# KiCad board Weltkatze.kicad_pcb
date: 2026-03-28
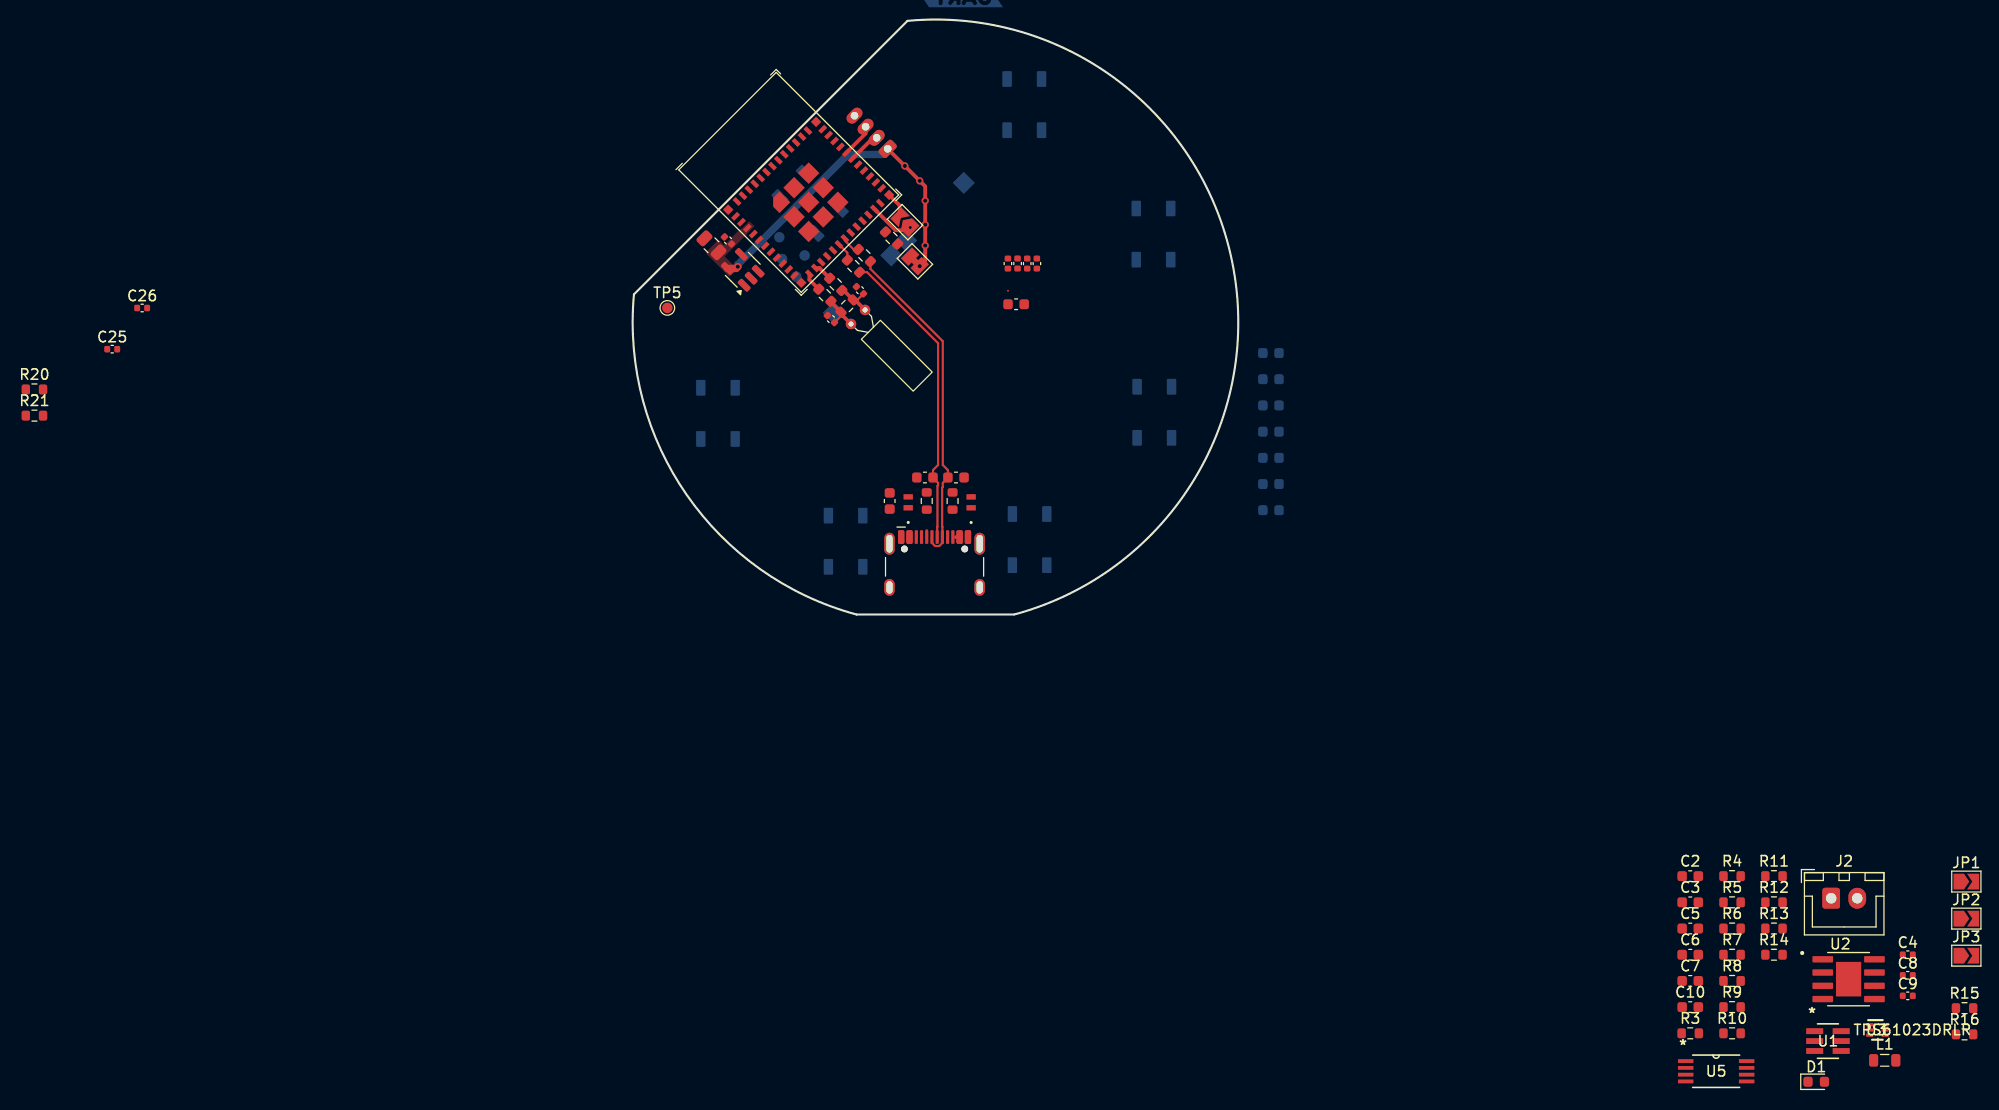
[diagram p0: board, top side]
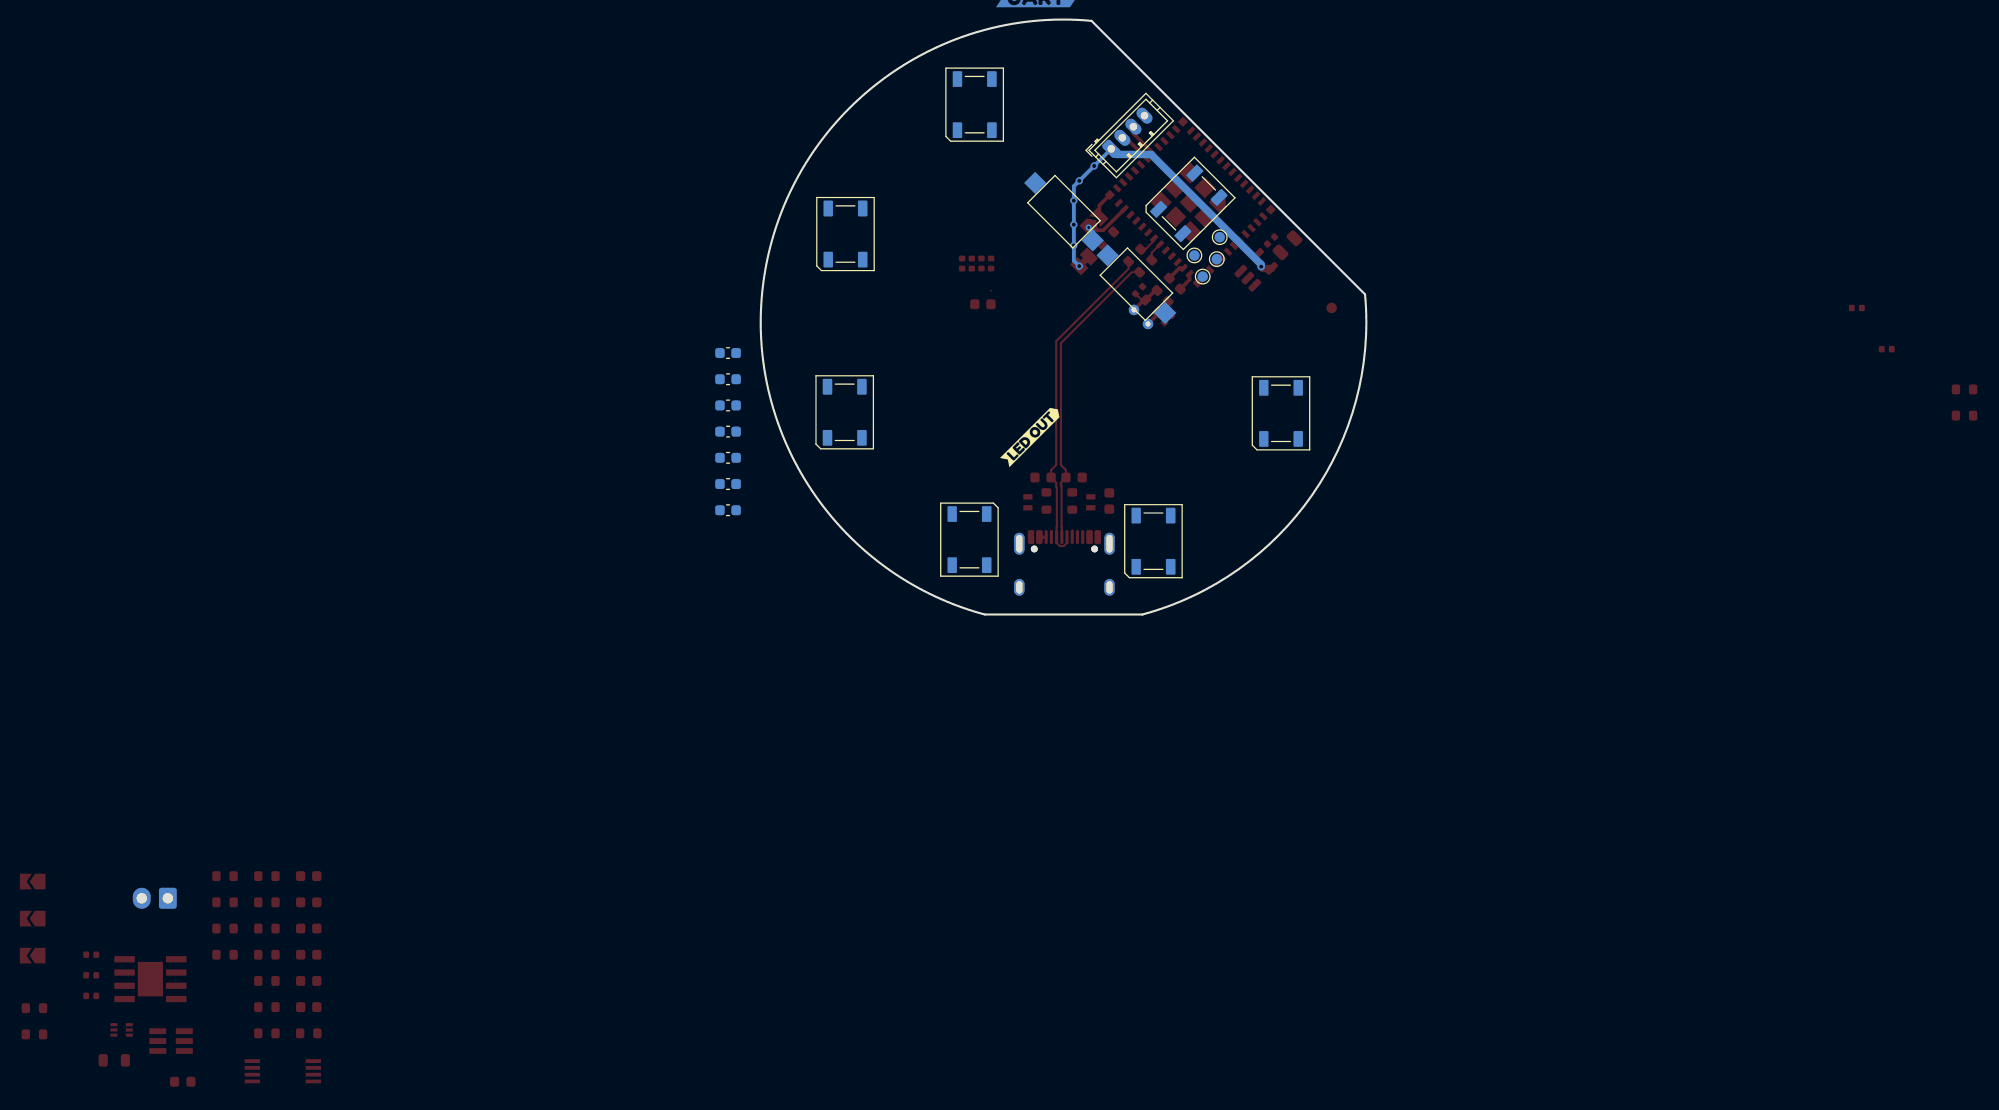
[diagram p1: board, bottom side, seen from below]

Outline 57.44 x 56.88 mm; copper layers: Top, Bottom. Coordinates in mm from the lower left corner of the outline.
Outline path: 21.32,0 arc(5.07,11.45) 0,30.68 26.2,56.88 arc(57.44,33.13) 36.43,0 21.32,0
Stack: Top 0.035mm / dielectric 1.51mm FR4 er 4.5 / Bottom 0.035mm

## Placement (name value [footprint] x y rotation side)
C1  10u  [C_0603_1608Metric]  24.5 10.88 90 top
C2  10u  [C_0603_1608Metric]  101.19 -25.06 0 top
C3  10u  [C_0603_1608Metric]  101.19 -27.57 0 top
C4  0.1u  [C_0402_1005Metric]  122.03 -32.59 0 top
C5  10u  [C_0603_1608Metric]  101.19 -30.08 0 top
C6  10u  [C_0603_1608Metric]  101.19 -32.59 0 top
C7  10u  [C_0603_1608Metric]  101.19 -35.1 0 top
C8  0.1u  [C_0402_1005Metric]  122.03 -34.56 0 top
C9  0.1u  [C_0402_1005Metric]  122.03 -36.53 0 top
C10  10u  [C_0603_1608Metric]  101.19 -37.61 0 top
C11  10u  [C_0603_1608Metric]  61.03 9.99 0 bottom
C12  10u  [C_0603_1608Metric]  61.03 12.5 0 bottom
C13  10u  [C_0603_1608Metric]  61.03 15.01 0 bottom
C14  10u  [C_0603_1608Metric]  61.03 17.52 0 bottom
C15  10u  [C_0603_1608Metric]  61.03 20.03 0 bottom
C16  10u  [C_0603_1608Metric]  61.03 22.54 0 bottom
C17  10u  [C_0603_1608Metric]  61.03 25.05 0 bottom
C23  12p  [C_0402_1005Metric]  21.65 31.07 315 top
C24  12p  [C_0402_1005Metric]  18.87 28.31 315 top
C25  0.1u  [C_0402_1005Metric]  -49.98 25.43 0 top
C26  0.1u  [C_0402_1005Metric]  -47.11 29.37 0 top
C27  22u  [C_0805_2012Metric]  7.43 35.37 315 top
C28  0.1u  [C_0402_1005Metric]  9.01 35.84 315 top
C29  0.1u  [C_0603_1608Metric]  30.85 13.13 180 top  (not fitted)
C30  0.1u  [C_0603_1608Metric]  27.88 13.13 0 top  (not fitted)
C31  100n  [C_0402_1005Metric]  35.82 33.63 90 top
C32  10u  [C_0603_1608Metric]  36.61 29.73 0 top
C33  100n  [C_0402_1005Metric]  38.6 33.63 90 top
C34  100n  [C_0402_1005Metric]  36.75 33.63 90 top
C35  100n  [C_0402_1005Metric]  37.68 33.63 90 top
CR1  ESDA25P35-1U1M  [QFN1610_STM-M]  32.3 10.75 90 top
CR2  ESDA25P35-1U1M  [QFN1610_STM-M]  26.28 10.75 90 top
D1  R  [LED_0603_1608Metric]  113.26 -44.76 0 top
D2  WS2812B  [LED_WS2812B_PLCC4_5.0x5.0mm_P3.2mm]  37.4 48.85 270 bottom
D3  WS2812B  [LED_WS2812B_PLCC4_5.0x5.0mm_P3.2mm]  49.78 36.45 270 bottom
D4  WS2812B  [LED_WS2812B_PLCC4_5.0x5.0mm_P3.2mm]  49.85 19.38 270 bottom
D5  WS2812B  [LED_WS2812B_PLCC4_5.0x5.0mm_P3.2mm]  37.9 7.18 90 bottom
D6  WS2812B  [LED_WS2812B_PLCC4_5.0x5.0mm_P3.2mm]  20.28 7.03 270 bottom
D7  WS2812B  [LED_WS2812B_PLCC4_5.0x5.0mm_P3.2mm]  8.05 19.28 270 bottom
D8  WS2812B  [LED_WS2812B_PLCC4_5.0x5.0mm_P3.2mm]  16.88 39.39 315 bottom
G***  -  [LOGO]  27.07 26.01 45 top
J1  USB_C_Receptacle_USB2.0_14P  [USB_C_Receptacle_HCTL_HC-TYPE-C-16P-01A]  28.8 3.68 0 top
J2  CONN_BAT  [JST_XH_B2B-XH-A_1x02_P2.50mm_Vertical]  114.69 -27.18 0 top
J6  UART  [JST_ZH_B4B-ZR_1x04_P1.50mm_Vertical]  24.31 44.62 135 bottom
JP1  SolderJumper_2_Open  [SolderJumper-2_P1.3mm_Open_TrianglePad1.0x1.5mm]  127.65 -25.58 0 top
JP2  SolderJumper_2_Open  [SolderJumper-2_P1.3mm_Open_TrianglePad1.0x1.5mm]  127.65 -29.13 0 top
JP3  SolderJumper_2_Open  [SolderJumper-2_P1.3mm_Open_TrianglePad1.0x1.5mm]  127.65 -32.68 0 top
JP6  DBG_UART  [SolderJumper-2_P1.3mm_Bridged_Pad1.0x1.5mm]  26.92 33.84 315 top
JP7  SolderJumper_2_Open  [SolderJumper-2_P1.3mm_Open_TrianglePad1.0x1.5mm]  25.96 37.59 135 top
kibuzzard-67CB17AB  G***  [kibuzzard-67CB17AB]  31.98 17.1 135 bottom
kibuzzard-698E3F4A  G***  [kibuzzard-698E3F4A]  31.5 59.13 180 bottom
L1  470n  [L_0805_2012Metric]  119.82 -42.71 0 top
R1  5.1k  [R_0603_1608Metric]  28.05 10.88 90 top
R2  5.1k  [R_0603_1608Metric]  30.53 10.88 90 top
R3  597k  [R_0603_1608Metric]  101.19 -40.12 0 top
R4  49.9k  [R_0603_1608Metric]  105.21 -25.06 0 top
R5  49.9k  [R_0603_1608Metric]  105.21 -27.57 0 top
R6  49.9k  [R_0603_1608Metric]  105.21 -30.08 0 top
R7  66.5k  [R_0603_1608Metric]  105.21 -32.59 0 top
R8  1k  [R_0603_1608Metric]  105.21 -35.1 0 top
R9  1.5k  [R_0603_1608Metric]  105.21 -37.61 0 top
R10  100k  [R_0603_1608Metric]  105.21 -40.12 0 top
R11  732k  [R_0603_1608Metric]  109.22 -25.06 0 top
R12  1k  [R_0603_1608Metric]  109.22 -27.57 0 top
R13  470  [R_0603_1608Metric]  109.22 -30.08 0 top
R14  191  [R_0603_1608Metric]  109.22 -32.59 0 top
R15  200k  [R_0603_1608Metric]  127.47 -37.71 0 top
R16  200k  [R_0603_1608Metric]  127.47 -40.22 0 top
R17  0  [R_0603_1608Metric]  20.42 29.55 45 top
R18  0  [R_0603_1608Metric]  19.33 31.64 135 top
R19  0  [R_0603_1608Metric]  18.29 30.59 135 top
R20  0  [R_0603_1608Metric]  -57.44 21.57 0 top
R21  10k  [R_0603_1608Metric]  -57.44 19.06 0 top
R22  10k  [R_0603_1608Metric]  24.68 36.08 315 top
R23  0  [R_0603_1608Metric]  22.07 34.4 315 top
R24  0  [R_0603_1608Metric]  21.03 33.38 315 top
SW2  SW_Push  [SW_SPST_CK_RS282G05A3]  21.9 31.65 45 bottom
SW3  SW_Push  [SW_SPST_CK_RS282G05A3]  28.84 38.59 225 bottom
TP1  MTMS  [TestPoint_Pad_D1.0mm]  13.93 36.15 180 bottom
TP2  MTDI  [TestPoint_Pad_D1.0mm]  14.2 34.05 180 bottom
TP3  MTCK  [TestPoint_Pad_D1.0mm]  15.55 32.38 0 bottom
TP4  MTDO  [TestPoint_Pad_D1.0mm]  16.35 34.4 0 bottom
TP5  3V3  [TestPoint_Pad_D1.0mm]  3.2 29.38 0 top
U1  TPS3700DDCR  [DDC6_TEX-M]  114.39 -40.87 0 top
U2  TP4056  [SOP127P600X175-9N]  116.37 -34.93 0 top
U3  TPS61023DRLR  [DRL0006A]  119.12 -39.8 0 top
U5  TPS2111APW  [PW8]  103.68 -43.76 0 top
U6  SPX3819M5-L-3-3  [SOT-23-5]  10.42 33.03 135 top
U9  ESP32-C6-MINI-1/U  [ESP32-C6-MINI-1]  14.83 41.4 45 top
Y1  32.768k  [Crystal_C26-LF_D2.1mm_L6.5mm_Horizontal]  20.79 27.84 45 top

## Library data of the parts
C1-C10 C23-C35 = -: Description: Unpolarized capacitor; ki_fp_filters: C_*
C11-C17 = -: Description: Unpolarized capacitor, small symbol; ki_fp_filters: C_*
CR1 CR2 = -: ki_fp_filters: QFN1610_STM QFN1610_STM-M QFN1610_STM-L
D1 = -: Description: Light emitting diode; ki_fp_filters: LED* LED_SMD:* LED_THT:*
D2-D8 = -: Datasheet: https://cdn-shop.adafruit.com/datasheets/WS2812B.pdf; Description: RGB LED with integrated controller; ki_fp_filters: LED*WS2812*PLCC*5.0x5.0mm*P3.2mm*
J1 = -: Datasheet: https://www.usb.org/sites/default/files/documents/usb_type-c.zip; Description: USB 2.0-only 16P Type-C Receptacle connector; ki_fp_filters: USB*C*Receptacle*
J2 = -: Description: Generic connector, single row, 01x02, script generated; ki_fp_filters: Connector*:*_1x??_*
J6 = -: Description: Generic connector, single row, 01x04, script generated; ki_fp_filters: Connector*:*_1x??_*
JP1-JP3 JP7 = -: Description: Solder Jumper, 2-pole, open; ki_fp_filters: SolderJumper*Open*
JP6 = -: Description: Solder Jumper, 2-pole, closed/bridged; ki_fp_filters: SolderJumper*Bridged*
L1 = -: Description: Inductor; ki_fp_filters: Choke_* *Coil* Inductor_* L_*
R1-R24 = -: Description: Resistor; ki_fp_filters: R_*
SW2 SW3 = -: Description: Push button switch, generic, two pins
TP1-TP5 = -: Description: test point; ki_fp_filters: Pin* Test*
U1 = -: ki_fp_filters: DDC6_TEX DDC6_TEX-M DDC6_TEX-L
U2 = -: MF: NanJing Top Power ASIC Corp.; MAXIMUM_PACKAGE_HEIGHT: 1.75mm; Package: Package; Price: None; Check_prices: https://www.snapeda.com/parts/TP4056/NanJing+Top+Power+ASIC+Corp./view-part/?ref=eda; STANDARD: IPC 7351B; SnapEDA_Link: https://www.snapeda.com/parts/TP4056/NanJing+Top+Power+ASIC+Corp./view-part/?ref=snap; Description_1: Complete single cell Li-Ion battery with a constant current / constant voltage linear charger; Availability: Not in stock; MANUFACTURER: NanJing Top Power ASIC Corp.
U3 = -: MF: Texas Instruments; Description_1: 3.7-A boost converter with 0.5-V ultra-low input voltage; COPYRIGHT: Copyright (C) 2022 Ultra Librarian. All rights reserved.; Package: SOT-5X3-6 Texas Instruments; Price: None; Check_prices: https://www.snapeda.com/parts/TPS61023DRLR/Texas+Instruments/view-part/?ref=eda; Availability: In Stock; SnapEDA_Link: https://www.snapeda.com/parts/TPS61023DRLR/Texas+Instruments/view-part/?ref=snap; TYPE: TYPE; MFR_NAME: Texas Instruments; REFDES: RefDes
U5 = -: ki_fp_filters: PW8 PW8-M PW8-L
U6 = -: Datasheet: https://www.exar.com/content/document.ashx?id=22106&languageid=1033&type=Datasheet&partnumber=SPX3819&filename=SPX3819.pdf&part=SPX3819; Description: 500mA Low drop-out regulator, Fixed Output 3.3V, SOT-23-5; ki_fp_filters: SOT?23*
U9 = -: Datasheet: https://www.espressif.com/sites/default/files/documentation/esp32-c6-mini-1_datasheet_en.pdf; Description: ESP32-C6-MINI-1 is a module that supports 2.4 GHz Wi-Fi 6 (802.11 ax), Bluetooth® 5 (LE), Zigbee and Thread (802.15.4)
Y1 = -: Description: Two pin crystal; ki_fp_filters: Crystal*

## Footprints (pads in the part's own frame, mm; a bottom-side part is the same pattern mirrored in y, then rotated)
C_0402_1005Metric
  rrect 0.56x0.62 smd: 1(-0.48,0) 2(0.48,0)
C_0603_1608Metric
  rrect 0.9x0.95 smd: 1(-0.775,0) 2(0.775,0)
C_0805_2012Metric
  rrect 1x1.45 smd: 1(-0.95,0) 2(0.95,0)
Crystal_C26-LF_D2.1mm_L6.5mm_Horizontal
  round 1 hole 0.5: 1(0,0) 2(1.9,0)
DDC6_TEX-M
  rect 1.626x0.559 smd: 1(-1.27,0.95) 2(-1.27,0) 3(-1.27,-0.95) 4(1.27,-0.95) 5(1.27,0) 6(1.27,0.95)
DRL0006A
  rect 0.67x0.3 smd: 1(-0.74,0.5) 2(-0.74,0) 3(-0.74,-0.5) 4(0.74,-0.5) 5(0.74,0) 6(0.74,0.5)
ESP32-C6-MINI-1
  rect 0.8x0.4 smd: 1(-5.9,1.3) 2(-5.9,0.5) 3(-5.9,-0.3) 4(-5.9,-1.1) 5(-5.9,-1.9) 6(-5.9,-2.7) 7(-5.9,-3.5) 8(-5.9,-4.3) 9(-5.9,-5.1) 10(-5.9,-5.9) 11(-5.9,-6.7) 25(5.9,-6.7) 26(5.9,-5.9) 27(5.9,-5.1) 28(5.9,-4.3) 29(5.9,-3.5) 30(5.9,-2.7) 31(5.9,-1.9) 32(5.9,-1.1) 33(5.9,-0.3) 34(5.9,0.5) 35(5.9,1.3)
  rect 0.4x0.8 smd: 12(-4.8,-7.6) 13(-4,-7.6) 14(-3.2,-7.6) 15(-2.4,-7.6) 16(-1.6,-7.6) 17(-0.8,-7.6) 18(0,-7.6) 19(0.8,-7.6) 20(1.6,-7.6) 21(2.4,-7.6) 22(3.2,-7.6) 23(4,-7.6) 24(4.8,-7.6) 36(4.8,2.2) 37(4,2.2) 38(3.2,2.2) 39(2.4,2.2) 40(1.6,2.2) 41(0.8,2.2) 42(0,2.2) 43(-0.8,2.2) 44(-1.6,2.2) 45(-2.4,2.2) 46(-3.2,2.2) 47(-4,2.2) 48(-4.8,2.2)
  rect 1.45x1.45 smd: 49(-1.975,-2.7) 49(-1.975,-4.675) 49(0,-0.725) 49(0,-2.7) 49(0,-4.675) 49(1.975,-0.725) 49(1.975,-2.7) 49(1.975,-4.675)
  custom 1.45x1.45 smd: 49(-1.975,-0.725)
  rect 0.7x0.7 smd: 50(5.95,2.25) 51(5.95,-7.65) 52(-5.95,-7.65) 53(-5.95,2.25)
JST_XH_B2B-XH-A_1x02_P2.50mm_Vertical
  rrect 1.7x2 hole 1: 1(0,0)
  oval 1.7x2 hole 1: 2(2.5,0)
JST_ZH_B4B-ZR_1x04_P1.50mm_Vertical
  rrect 1.03x1.73 hole 0.73: 1(0,0)
  oval 1.03x1.73 hole 0.73: 2(1.5,0) 3(3,0) 4(4.5,0)
L_0805_2012Metric
  rrect 0.875x1.2 smd: 1(-1.062,0) 2(1.062,0)
LED_0603_1608Metric
  rrect 0.875x0.95 smd: 1(-0.787,0) 2(0.787,0)
LED_WS2812B_PLCC4_5.0x5.0mm_P3.2mm
  rrect 1.5x0.9 smd: 1(-2.45,1.65) 2(-2.45,-1.65) 3(2.45,-1.65) 4(2.45,1.65)
PW8
  rect 1.473x0.356 smd: 1(-2.921,0.975) 2(-2.921,0.325) 3(-2.921,-0.325) 4(-2.921,-0.975) 5(2.921,-0.975) 6(2.921,-0.325) 7(2.921,0.325) 8(2.921,0.975)
QFN1610_STM-M
  rect 0.508x0.889 smd: 1(-0.521,0) 2(0.521,0)
R_0603_1608Metric
  rrect 0.8x0.95 smd: 1(-0.825,0) 2(0.825,0)
SolderJumper-2_P1.3mm_Bridged_Pad1.0x1.5mm
  rect 1x1.5 smd: 1(-0.65,0) 2(0.65,0)
SolderJumper-2_P1.3mm_Open_TrianglePad1.0x1.5mm
  custom 1.5x1.5 smd: 1(-0.725,0)
  custom 1.15x1.5 smd: 2(0.725,0)
SOP127P600X175-9N
  rrect 1.97x0.6 smd: 1(-2.475,1.905) 2(-2.475,0.635) 3(-2.475,-0.635) 4(-2.475,-1.905) 5(2.475,-1.905) 6(2.475,-0.635) 7(2.475,0.635) 8(2.475,1.905)
  rect 2.413x3.302 smd: 9(0,0)
SOT-23-5
  rrect 1.325x0.6 smd: 1(-1.137,0.95) 2(-1.137,0) 3(-1.137,-0.95) 4(1.137,-0.95) 5(1.137,0.95)
SW_SPST_CK_RS282G05A3
  rect 1.5x1.5 smd: 1(-3.9,0) 2(3.9,0)
TestPoint_Pad_D1.0mm
  round 1 smd: 1(0,0)
USB_C_Receptacle_HCTL_HC-TYPE-C-16P-01A
  round 0.65 hole 0.65 unplated: (-2.89,2.605) (2.89,2.605)
  rrect 0.6x1.3 smd: A1(-3.2,3.745) A4(-2.4,3.745) A9(2.4,3.745) A12(3.2,3.745) B1(3.2,3.745) B4(2.4,3.745) B9(-2.4,3.745) B12(-3.2,3.745)
  rrect 0.3x1.3 smd: A5(-1.25,3.745) A6(-0.25,3.745) A7(0.25,3.745) A8(1.25,3.745) B5(1.75,3.745) B6(0.75,3.745) B7(-0.75,3.745) B8(-1.75,3.745)
  oval 1x2.1 hole 0.6x1.7: S1(-4.32,3.105) S1(4.32,3.105)
  oval 1x1.6 hole 0.6x1.2: S1(-4.32,-1.075) S1(4.32,-1.075)

## Nets
+3V3: C27.2 C28.2 C31.1 C32.1 C33.1 C34.1 C35.1 J6.1 JP6.2 R21.2 TP5.1 U6.5 U9.3
+5V: C1.1 C10.1 C11.2 C12.2 C13.2 C14.2 C15.2 C16.2 C17.2 CR1.1 CR2.1 D2.1 D3.1 D4.1 D5.1 D6.1 D7.1 D8.1 J1.A4 J1.A9 J1.B4 J1.B9 U5.7 U6.1 U6.3
/Logic/VBAT_MON: R15.1 R16.2 U9.6
/Power/VBAT_EN: R4.2 R5.2 U1.1 U1.6 U3.2
/Power/VBUS: C6.1 C7.1 C9.2 R11.2 U3.6 U5.6
GND: C1.2 C2.2 C3.2 C4.2 C5.2 C6.2 C7.2 C8.2 C9.1 C10.2 C11.1 C12.1 C13.1 C14.1 C15.1 C16.1 C17.1 C23.1 C24.1 C25.1 C26.2 C27.1 C28.1 C29.1 C30.1 C31.2 C32.2 C33.2 C34.2 C35.2 CR1.2 CR2.2 D2.3 D3.3 D4.3 D5.3 D6.3 D7.3 D8.3 J1.A1 J1.A12 J1.B1 J1.B12 J1.S1 J2.1 J6.4 JP7.2 R1.2 R2.2 R7.2 R9.2 R10.2 R13.2 R14.1 R16.1 SW2.1 SW3.1 U1.2 U2.1 U2.3 U2.6 U2.9 U3.4 U5.2 U5.5 U6.2 U9.1 U9.2 U9.11 U9.14 U9.36 U9.37 U9.38 U9.39 U9.40 U9.41 U9.42 U9.43 U9.44 U9.45 U9.46 U9.47 U9.48 U9.49 U9.50 U9.51 U9.52 U9.53
VBAT: C3.1 C4.1 C5.1 J2.2 L1.1 R3.1 R4.1 R5.1 R15.2 U1.5 U2.5 U3.3
/LEDs/LED_DIN: D2.4 U9.28
/Logic/ESP_BOOT: JP7.1 SW3.2 U9.23
/Logic/ESP_RST: C26.1 R20.1 R21.1 U9.8
/Logic/ESP_SCL: U9.19
/Logic/ESP_SDA: U9.20
/Logic/UART_RX: J6.2 U9.30
/Logic/UART_TX: J6.3 U9.31
/Logic/USB_N: R24.1 U9.17
/Logic/USB_P: R23.1 U9.18
/Logic/USBD_N: C30.2 J1.A7 J1.B7 R24.2
/Logic/USBD_P: C29.2 J1.A6 J1.B6 R23.2
/Logic/XTAL_N: R18.2 U9.13
/Logic/XTAL_P: R19.2 U9.12
/Power/USB_VBUS: C2.1 C8.1 D1.2 R12.2 U2.4 U2.8 U5.8
Net-(C23-Pad2): C23.2 R17.2 R18.1 Y1.2
Net-(C24-Pad2): C24.2 R17.1 R19.1 Y1.1
Net-(C25-Pad2): C25.2 R20.2 SW2.2
Net-(D1-K): D1.1 R8.1
Net-(D2-DOUT): D2.2 D3.4 JP1.1
Net-(D3-DOUT): D3.2 D4.4 JP1.2
Net-(D4-DOUT): D4.2 D5.4 JP2.1
Net-(D5-DOUT): D5.2 D6.4 JP2.2
Net-(D6-DOUT): D6.2 D7.4 JP3.1
Net-(D7-DOUT): D7.2 D8.4 JP3.2
Net-(J1-CC1): J1.A5 R1.1
Net-(J1-CC2): J1.B5 R2.1
Net-(JP6-A): JP6.1 R22.2
Net-(U1-INA+): R3.2 R6.1 U1.3
Net-(U1-INB-): R6.2 R7.1 U1.4
Net-(U2-PROG): R9.1 U2.2
Net-(U2-~{CHRG}): R8.2 U2.7
Net-(U3-FB): R10.1 R11.1 U3.1
Net-(U3-SW): L1.2 U3.5
Net-(U5-ILIM): R13.1 U5.4
Net-(U5-VSNS): R12.1 R14.2 U5.3
Net-(U9-GPIO8): R22.1 U9.22
Net-(U9-MTCK/GPIO6/ADC1_CH6): TP3.1 U9.15
Net-(U9-MTDI/GPIO5/ADC1_CH5): TP2.1 U9.10
Net-(U9-MTDO/GPIO7): TP4.1 U9.16
Net-(U9-MTMS/GPIO4/ADC1_CH4): TP1.1 U9.9

Pads without a net: D8 2; J1 A8 B8; U5 1; U6 4; U9 4 5 7 21 24 25 26 27 29 32 33 34 35

## Via types
v1: diameter 0.6, hole 0.3, Top to Bottom, 1 via
v2: diameter 0.7, hole 0.4, Top to Bottom, 7 vias

## Routing (per net, layer and track width the routed paths; a pad name or vN(x,y) marks a point on that pad's centre or on a via; arc(x,y) is an arc through that point)
+3V3: length 46.4
  Top w0.165: 35.84,31.02 35.83,31.03
  Top w0.35: 27.67,33.38 v2(27.38,33.38) 27.91,33.91 27.91,37.35 v2(27.9,37.35) 27.91,37.36 27.91,41.02 J6.1
  Top w0.7: v2(9.95,33.33) 9.78,33.16 U6.5
  Bottom w0.35: v2(27.38,33.38) 27.9,33.9 v2(27.9,35.35) v2(27.9,39.65) 27.9,41.03 v2(27.38,41.55) v2(25.95,42.98) J6.1
  Bottom w0.7: J6.1 23.77,44.08 20.49,44.08 9.95,33.53 v2(9.95,33.33)
+5V: length 0
  Top w0.35: 30.88,7.43 30.85,7.4
GND: length 2.7
  Top w0.35: JP7.2 25.45,39.2 U9.51 ; 32.3,11.34 32.53,11.34
/Logic/ESP_BOOT: length 5.8
  Top w0.35: v1(26.47,37.08) 26.22,36.82 25.07,36.82 U9.23
  Bottom w0.35: SW3.2 26.08,36.69 v1(26.47,37.08)
/Logic/UART_RX: length 3.2
  Top w0.35: 23.25,45.68 22.92,45.68 U9.30
/Logic/UART_TX: length 3.3
  Top w0.35: J6.3 22.19,46.08 U9.31
/Logic/USB_N: length 1.8
  Top w0.2: U9.17 20.44,34.66 R24.1
/Logic/USB_P: length 1.8
  Top w0.2: U9.18 20.2,35.82 21.04,34.98 R23.1
/Logic/USBD_N: length 30
  Top w0.2: J1.B7 28.05,8.07 ; J1.A7 29.05,8.4 29.07,8.42 29.07,12.32 29.14,12.39 29.14,12.61 28.65,13.1 C30.2 28.65,13.84 29.14,14.33 29.14,26 22.34,32.79 R24.2
/Logic/USBD_P: length 32.1
  Top w0.2: J1.A6 28.55,6.86 28.85,6.56 29.25,6.56 29.55,6.86 J1.B6 29.55,8.4 29.53,8.42 29.53,12.15 29.59,12.21 29.59,12.61 30.07,13.1 C29.2 30.07,13.84 29.59,14.33 29.59,26.18 22.66,33.11 R23.2
/Logic/XTAL_N: length 1.8
  Top w0.35: R18.2 17.76,33.2 U9.13
/Logic/XTAL_P: length 1.8
  Top w0.35: R19.2 16.81,32.07 U9.12
Net-(C23-Pad2): length 4.2
  Top w0.2: C23.2 21.4,30.14 R17.2
  Top w0.35: R18.1 20.09,31.05 R17.2 21.18,30.14 Y1.2
Net-(C24-Pad2): length 4.2
  Top w0.2: C24.2 19.84,28.6 R17.1
  Top w0.35: Y1.1 19.84,28.79 R17.1 18.87,29.94 R19.1

## Copper pours and planes (outline as drawn; the poured copper is in the pictures)
+3V3 on Top: 9.16,32.34 6.85,34.65 8.1,35.9 8.62,35.38 11,37.75 11.56,37.19 8.69,34.31 9.91,33.09
